# Altium PCB 2-quilter-output.pcbdoc (part 10 of 17)
Units mil, origin at the board's own origin, x right, y up, seen from the top; angles counter-clockwise.
Board outline 2728 x 2217 mil, 8 copper layers (L1_TOP, L2_GND, L3_INNER1, L4_GND, L5_PWR, L6_PWR, L7_GND, L8_BOT), stack 48.64 mil thick; 230 components, 327 nets, 1592 pads, 995 vias.
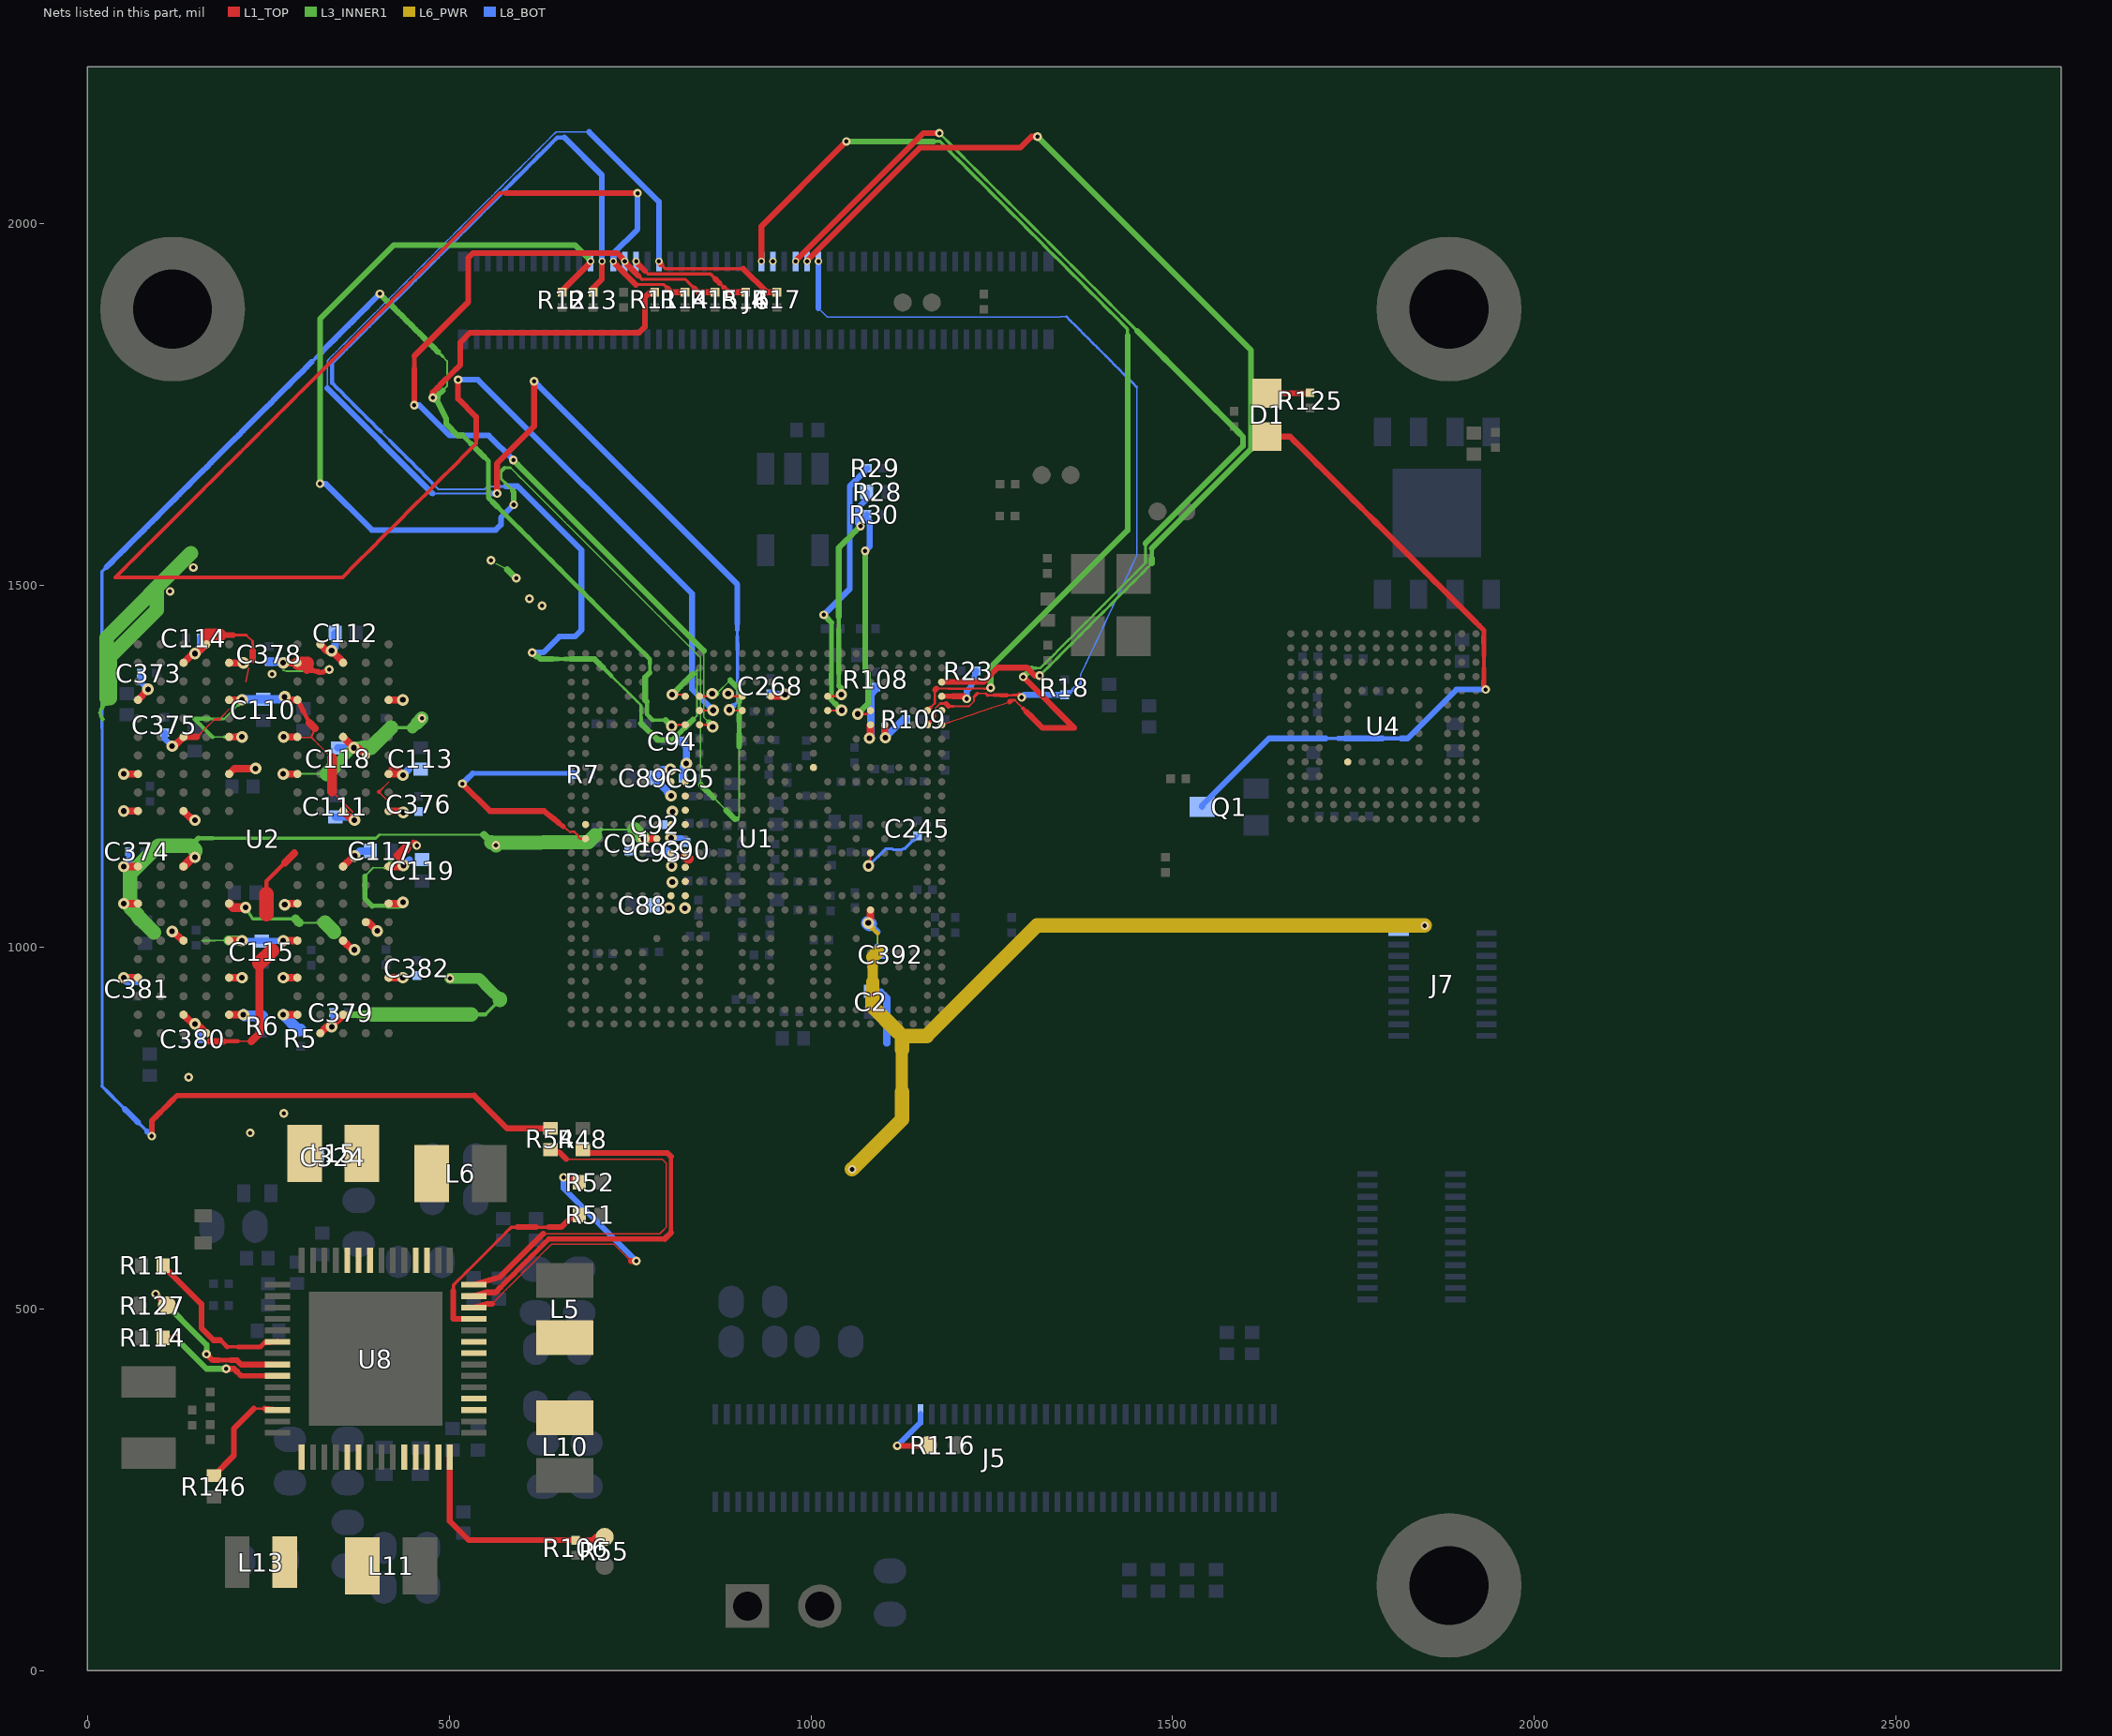
[diagram p16: the nets of this part, all layers, seen from the top]

## Via types
v1: diameter 12.01, hole 5.91, L1_TOP to L8_BOT, tented both sides, 409 vias
v2: diameter 16, hole 8, L1_TOP to L8_BOT, tented both sides, 329 vias
v3: diameter 10, hole 6, L1_TOP to L8_BOT, tented both sides, 205 vias
v4: diameter 16, hole 8, L1_TOP to L8_BOT, tented top, 52 vias

## Nets (pads, with @x,y where several pads share a name; then routed paths per layer and width w, separated by ;. In a path a pad name is that pad's centre, name@x,y a point inside that pad or via, vN(x,y) a via of type N, cw(c..) or ccw(c..) an arc to the next point about the centre after c; other vN are vias at no path point) (continued)
I2C1_SDA: R11.2 R54.1 U1.F9 | length 3190.4
  L1_TOP w3: v2(807.68,1305.38) 809.68,1307.38 U1.F9@826.47,1307.38
  L1_TOP w6.88: 100.91,771.77 106.76,777.62 ; 118.46,789.33 124.31,795.18 133.23,795.18 142.16,795.18 151.08,795.18 160,795.18 168.92,795.18 177.85,795.18 186.77,795.18 195.69,795.18 204.62,795.18 213.54,795.18 222.46,795.18 231.38,795.18 240.31,795.18 249.23,795.18 258.15,795.18 267.07,795.18 276,795.18 284.92,795.18 293.84,795.18 302.76,795.18 311.69,795.18 320.61,795.18 329.53,795.18 338.45,795.18 347.38,795.18 356.3,795.18 365.22,795.18 374.14,795.18 383.07,795.18 391.99,795.18 400.91,795.18 409.83,795.18 418.76,795.18 427.68,795.18 436.6,795.18 445.53,795.18 454.45,795.18 463.37,795.18 472.29,795.18 481.22,795.18 490.14,795.18 499.06,795.18 507.98,795.18 516.91,795.18 525.83,795.18 534.75,795.18
  L1_TOP w7.46: 106.76,777.62 112.61,783.47 ; 496.56,1785.77 502.92,1792.13 509.28,1798.49 ; 770.64,1873.57 770.64,1881.68 770.64,1889.8
  L1_TOP w8.05: v1(89.21,739.01) 89.21,747.03 89.21,760.07 95.06,765.92 100.91,771.77 ; 112.61,783.47 118.46,789.33 ; v1(477.49,1759.34) 477.49,1766.12 477.49,1766.69 483.85,1773.05 490.21,1779.41 496.56,1785.77 ; 509.28,1798.49 515.64,1804.85 515.64,1835.93 528.92,1849.21 762.52,1849.21 770.64,1857.33 ; 534.75,795.18 580.16,749.76 R54.1@640,749.76 ; 770.64,1857.33 770.64,1865.45 770.64,1873.57 ; 770.64,1889.8 770.64,1897.92 777.85,1905.14 R11.2@784.25,1905.14
  L3_INNER1 w2.2: 497.27,1801.41 497.27,1810.07
  L3_INNER1 w2.79: 491.08,1816.26 497.27,1810.07 ; 491.13,1769.28 497.27,1775.42 497.27,1784.08 497.27,1792.74 497.27,1801.41
  L3_INNER1 w3.96: 777.53,1379.47 777.53,1385.67 777.53,1391.88
  L3_INNER1 w4.54: 484.88,1822.46 491.08,1816.26
  L3_INNER1 w5.13: 782.06,1313.84 790.65,1313.84 799.23,1313.84
  L3_INNER1 w5.71: 773.46,1338.97 773.46,1330.59 773.46,1322.22 773.46,1321.86 777.48,1317.85 781.49,1313.84
  L3_INNER1 w6.29: 519.09,1707.15 524.98,1701.26 530.86,1695.37 ; 548.52,1677.71 554.41,1671.82 554.41,1663.39 554.41,1654.95 554.41,1646.51 554.41,1638.08 554.41,1629.64 554.41,1621.2 560.61,1615.01 ; 566.81,1608.81 573,1602.61 579.2,1596.41 585.4,1590.22 591.6,1584.02 597.8,1577.82 603.99,1571.62 610.19,1565.43 616.39,1559.23 622.59,1553.03 628.78,1546.83 634.98,1540.63 641.18,1534.44 647.38,1528.24 653.57,1522.04 659.77,1515.84 665.97,1509.65 672.17,1503.45 678.37,1497.25 684.56,1491.05 690.76,1484.85 696.96,1478.66 703.16,1472.46 709.35,1466.26 715.55,1460.06 721.75,1453.87 727.95,1447.67 734.15,1441.47 740.34,1435.27 746.54,1429.07 752.74,1422.88 758.94,1416.68 765.13,1410.48 771.33,1404.28 777.53,1398.09 777.53,1391.88 ; 781.49,1313.84 782.06,1313.84
  L3_INNER1 w7.46: 771,1372.94 774.26,1376.2 777.53,1379.47
  L3_INNER1 w8.05: v1(404.33,1903.01) 410.53,1896.81 416.72,1890.62 422.92,1884.42 429.11,1878.22 435.31,1872.03 441.51,1865.83 447.7,1859.64 453.9,1853.44 460.1,1847.24 466.29,1841.05 472.49,1834.85 478.68,1828.66 484.88,1822.46 ; v1(477.49,1759.34) 481.09,1755.73 483.27,1755.73 ; 491.13,1769.28 484.99,1763.13 484.21,1759.26 483.27,1755.73 ; 519.09,1707.15 512.05,1707.15 496.26,1722.93 496.26,1729.06 483.27,1755.73 ; 530.86,1695.37 536.75,1689.48 542.64,1683.6 548.52,1677.71 ; 560.61,1615.01 566.81,1608.81 ; 771,1372.94 771,1341.44 773.46,1338.97 ; 799.23,1313.84 v2(807.68,1305.38)
  L8_BOT w3.96: 20.4,807.82 20.4,816.83 20.4,825.83 20.4,834.83 20.4,843.84 20.4,852.84 20.4,861.84 20.4,870.85 20.4,879.85 20.4,888.85 20.4,897.86 20.4,906.86 20.4,915.86 20.4,924.86 20.4,933.87 20.4,942.87 20.4,951.87 20.4,960.88 20.4,969.88 20.4,978.88 20.4,987.89 20.4,996.89 20.4,1005.89 20.4,1014.9 20.4,1023.9 20.4,1032.9 20.4,1041.91 20.4,1050.91 20.4,1059.91 20.4,1068.92 20.4,1077.92 20.4,1086.92 20.4,1095.93 20.4,1104.93 20.4,1113.93 20.4,1122.94 20.4,1131.94 20.4,1140.94 20.4,1149.95 20.4,1158.95 20.4,1167.95 20.4,1176.96 20.4,1185.96 20.4,1194.96 20.4,1203.97 20.4,1212.97 20.4,1221.97 20.4,1230.98 20.4,1239.98 20.4,1248.98 20.4,1257.98 20.4,1266.99 20.4,1275.99 20.4,1284.99 20.4,1294 20.4,1303 ; 20.4,1321.01 20.4,1330.01
  L8_BOT w4.54: 20.4,807.82 26.66,801.57 ; 20.4,1303 20.4,1312 20.4,1321.01 ; 20.4,1330.01 20.4,1339.01 20.4,1348.02 20.4,1357.02 20.4,1366.02 20.4,1375.03 20.4,1384.03 20.4,1393.03 20.4,1402.04 20.4,1411.04 20.4,1420.04 20.4,1429.05 20.4,1438.05 20.4,1447.05 20.4,1456.06 20.4,1465.06 20.4,1474.06 20.4,1483.07 20.4,1492.07 20.4,1501.07 20.4,1510.08 20.4,1519.08 26.69,1525.37 ; 39.17,789.06 45.42,782.8 51.68,776.55 ; 70.44,757.78 76.7,751.53 82.95,745.27 ; 309.92,1808.6 316.22,1814.89
  L8_BOT w5.13: 26.66,801.57 32.91,795.31 39.17,789.06 ; 316.22,1814.89 322.51,1821.19
  L8_BOT w8.05: 26.69,1525.37 32.99,1531.67 39.28,1537.96 45.58,1544.25 51.87,1550.55 58.16,1556.84 64.46,1563.14 70.75,1569.43 77.05,1575.72 83.34,1582.02 89.63,1588.31 95.93,1594.61 102.22,1600.9 108.52,1607.19 114.81,1613.49 121.1,1619.78 127.4,1626.08 133.69,1632.37 139.99,1638.66 146.28,1644.96 152.57,1651.25 158.87,1657.55 165.16,1663.84 171.46,1670.13 177.75,1676.43 184.04,1682.72 190.34,1689.02 196.63,1695.31 202.92,1701.6 209.22,1707.9 215.51,1714.19 221.81,1720.48 228.1,1726.78 234.39,1733.07 240.69,1739.37 246.98,1745.66 253.28,1751.95 259.57,1758.25 265.86,1764.54 272.16,1770.84 278.45,1777.13 284.75,1783.42 291.04,1789.72 297.33,1796.01 303.63,1802.31 309.92,1808.6 ; 51.68,776.55 57.93,770.29 64.19,764.04 70.44,757.78 ; 82.95,745.27 v1(89.21,739.01) ; 322.51,1821.19 328.8,1827.48 335.1,1833.78 341.39,1840.07 347.69,1846.36 353.98,1852.66 360.27,1858.95 366.57,1865.25 372.86,1871.54 379.15,1877.83 385.45,1884.13 391.74,1890.42 398.04,1896.71 v1(404.33,1903.01)
I2C2_SCL: J4.22 R12.2 U1.D10 | length 1961.9
  L1_TOP w3: U1.D10@846.15,1346.75 859.98,1346.75 v2(863.67,1350.44)
  L1_TOP w8.05: R12.2@656.24,1905.14 656.24,1907.46 692.5,1943.72 v3@695.55,1947.76
  L3_INNER1 w2: 585.1,1662.64 591.35,1656.39 597.6,1650.14 603.85,1643.88 610.1,1637.63 616.35,1631.38 622.6,1625.13 628.85,1618.88 635.1,1612.63 641.36,1606.38 647.61,1600.13 653.86,1593.88 660.11,1587.62 666.36,1581.37 672.61,1575.12 678.86,1568.87 685.11,1562.62 691.36,1556.37 697.62,1550.12 703.87,1543.87 710.12,1537.62 716.37,1531.37 722.62,1525.11 728.87,1518.86 735.12,1512.61 741.37,1506.36 747.62,1500.11 753.88,1493.86 760.13,1487.61 766.38,1481.36 772.63,1475.11 778.88,1468.85 785.13,1462.6 791.38,1456.35 797.63,1450.1 803.88,1443.85 810.13,1437.6 816.39,1431.35 822.64,1425.1 828.89,1418.85 835.14,1412.59 841.39,1406.34 847.64,1400.09 847.64,1391.32 847.64,1382.54 847.64,1373.77 847.64,1364.99 847.64,1356.22 847.64,1347.44 847.64,1338.67 847.64,1329.89 847.64,1321.12 847.64,1312.34 847.64,1303.57 847.64,1294.79 847.64,1286.02 847.64,1277.24 847.64,1268.47 847.64,1259.69 847.64,1250.92 847.64,1242.14 847.64,1233.37 847.64,1224.59 ; v2@869.82,1350.46 876.02,1356.65 882.21,1362.85 888.41,1369.05
  L3_INNER1 w2.2: 871.31,1200.92 877.23,1195.01 883.15,1189.09 ; 898,1177.25 900.91,1180.16 900.91,1188.98 900.91,1197.8 900.91,1206.62 900.91,1215.44 900.91,1224.26 900.91,1233.08 900.91,1241.9 900.91,1250.72 900.91,1259.54 900.91,1268.36 900.91,1277.18
  L3_INNER1 w2.79: 865.39,1206.84 871.31,1200.92
  L3_INNER1 w3.96: 571.58,1647.69 577.12,1642.14 ; 576.79,1662.64 585.1,1662.64
  L3_INNER1 w4.54: 571.58,1647.69 571.58,1652.56 571.58,1657.43 ; 577.12,1642.14 582.67,1636.59 588.22,1631.04
  L3_INNER1 w5.71: 571.58,1657.43 576.79,1662.64 ; 900.91,1321.28 900.91,1330.1 900.91,1338.92
  L3_INNER1 w6.88: 900.91,1294.82 900.91,1303.64 900.91,1312.46
  L3_INNER1 w7.46: 588.22,1631.04 589.32,1629.1 ; 894.98,1177.25 898,1177.25 ; 900.91,1277.18 900.91,1286 ; 900.91,1312.46 900.91,1321.28
  L3_INNER1 w8.05: v1(321.74,1640.59) 321.74,1652.35 321.74,1868.26 423.91,1970.42 673.87,1970.42 692.5,1951.79 v3@695.55,1947.76 ; v1(589.32,1611.42) 589.32,1618.01 589.32,1629.09 ; 847.64,1224.59 853.56,1218.68 859.48,1212.76 865.39,1206.84 ; v2@863.68,1350.46 v2@869.82,1350.46 ; 883.15,1189.09 889.06,1183.17 894.98,1177.25 ; 888.42,1369.05 900.91,1356.55 900.91,1347.74 900.91,1338.92 ; 900.91,1286 900.91,1294.82
  L8_BOT w8.05: v1(321.74,1640.59) 329.4,1640.59 393.49,1576.5 564.37,1576.5 571.73,1583.87 571.73,1593.82 v1(589.32,1611.42)
  other v3: 695.54,1947.75
I2C2_SDA: J4.24 R13.2 U1.D9 | length 1790.5
  L1_TOP w3: v2(808.41,1349.15) 824.07,1349.15 U1.D9@826.47,1346.75
  L1_TOP w8.05: R13.2@699.25,1905.14 699.25,1911.14 699.25,1911.22 711.3,1923.27 v3(711.29,1947.75)
  L3_INNER1 w2.2: 836.98,1377.73 842.7,1383.44 842.71,1375.54 842.71,1367.64 842.71,1359.74 842.71,1351.84 842.71,1343.94 842.71,1336.04 842.71,1328.14 842.71,1320.24 837.07,1314.6
  L3_INNER1 w3.37: 724.37,1374.9 730.22,1369.05 736.07,1363.2 741.92,1357.35 747.77,1351.5 753.62,1345.65 759.47,1339.8 765.32,1333.95
  L3_INNER1 w4.54: 765.32,1317.54 765.32,1325.74 765.32,1333.95
  L3_INNER1 w5.13: 651.3,1398.3 659.58,1398.3 ; 765.32,1309.33 765.32,1317.54
  L3_INNER1 w5.71: 712.67,1386.6 718.52,1380.75 724.37,1374.9
  L3_INNER1 w6.29: 643.03,1398.3 651.3,1398.3 ; 659.58,1398.3 667.86,1398.3
  L3_INNER1 w6.88: 814.52,1292.05 820.15,1297.69 825.79,1303.33
  L3_INNER1 w7.46: 808.88,1286.41 814.52,1292.05
  L3_INNER1 w8.05: v1(614.8,1407.27) 620.52,1401.55 ; 620.53,1401.54 623.23,1401.54 626.47,1398.3 634.75,1398.3 643.03,1398.3 ; 667.86,1398.3 676.14,1398.3 684.41,1398.3 692.69,1398.3 700.97,1398.3 706.82,1392.45 712.67,1386.6 ; 765.32,1309.33 788.24,1286.41 808.87,1286.41 ; v2(808.41,1349.15) 814.12,1354.87 819.84,1360.58 825.55,1366.3 831.27,1372.01 836.98,1377.73 ; 825.79,1303.33 831.43,1308.97 837.07,1314.6
  L8_BOT w2.79: 405.82,1712.33 411.93,1706.21 418.05,1700.09 ; 479.23,1638.92 485.34,1632.8 493.32,1632.8 501.29,1632.8 509.27,1632.8 517.24,1632.8 525.21,1632.8 533.19,1632.8 541.16,1632.8 549.14,1632.8 553.26,1636.92 561.58,1636.92 569.91,1636.92
  L8_BOT w3.96: 569.91,1636.92 578.23,1636.92
  L8_BOT w5.13: 338.53,1779.62 344.64,1773.5 350.76,1767.38 356.88,1761.26 362.99,1755.15 369.11,1749.03 375.23,1742.91 381.35,1736.79 387.46,1730.68 393.58,1724.56 399.7,1718.44 405.82,1712.33 ; 418.05,1700.09 424.17,1693.97 430.29,1687.86 436.4,1681.74 442.52,1675.62 448.64,1669.5 454.76,1663.39 460.87,1657.27 466.99,1651.15 473.11,1645.03 479.23,1638.92
  L8_BOT w5.71: 338.53,1779.62 338.53,1786.7 338.53,1793.79 338.53,1800.88 338.53,1807.97 344.87,1814.31 351.22,1820.66 357.57,1827.01 363.91,1833.35 370.26,1839.7 376.61,1846.05 382.95,1852.39 389.3,1858.74 395.65,1865.09 401.99,1871.43 408.34,1877.78 414.69,1884.13 421.03,1890.47 427.38,1896.82 433.73,1903.17 440.07,1909.51 446.42,1915.86 452.77,1922.21 459.11,1928.55 465.46,1934.9 471.81,1941.25 478.15,1947.59 484.5,1953.94 490.85,1960.29 497.19,1966.63 503.54,1972.98 509.89,1979.33 516.23,1985.67 522.58,1992.02 528.93,1998.37 535.27,2004.71 541.62,2011.06 547.97,2017.41 554.31,2023.75 560.66,2030.1 567.01,2036.45 573.35,2042.79 579.7,2049.14 586.05,2055.49 592.39,2061.83 598.74,2068.18 605.09,2074.53 611.43,2080.87 617.78,2087.22 624.13,2093.57 630.47,2099.91 636.82,2106.26 643.17,2112.61 649.51,2118.95 654.44,2118.95 659.37,2118.95
  L8_BOT w8.05: 578.23,1636.92 586.55,1636.92 594.87,1636.92 683.02,1548.78 683.02,1438.35 674.08,1429.41 652.46,1429.41 630.32,1407.27 v1(614.8,1407.27) ; 659.37,2118.95 711.13,2067.19 v3(711.29,1947.75)
I2C3_SCL: J4.26 R14.2 U1.E10 | length 2478.2
  L1_TOP w3: U1.E10@846.15,1327.06 864.64,1327.06 v2(864.93,1327.36)
  L1_TOP w3.96: 758.14,1915.66 765.86,1915.66 773.57,1915.66 781.28,1915.66 789,1915.66 796.71,1915.66
  L1_TOP w4.54: 796.71,1915.66 801.97,1910.4
  L1_TOP w5.13: 537.5,1703.34 537.5,1695.96 531.13,1689.59 524.76,1683.22 518.39,1676.85 512.02,1670.48 505.65,1664.11 499.28,1657.74 492.92,1651.37 486.55,1645 480.18,1638.63 473.81,1632.26 467.44,1625.89 461.07,1619.52 454.7,1613.16 448.33,1606.79 441.96,1600.42 435.59,1594.05 429.22,1587.68 422.85,1581.31 416.48,1574.94 410.11,1568.57 403.75,1562.2 397.38,1555.83 391.01,1549.46 384.64,1543.09 378.27,1536.72 371.9,1530.36 365.53,1523.99 359.16,1517.62 352.79,1511.25 343.83,1511.25 334.86,1511.25 325.89,1511.25 316.93,1511.25 307.96,1511.25 299,1511.25 290.03,1511.25 281.07,1511.25 272.1,1511.25 263.13,1511.25 254.17,1511.25 245.2,1511.25 236.24,1511.25 227.27,1511.25 218.31,1511.25 209.34,1511.25 200.37,1511.25 191.41,1511.25 182.44,1511.25 173.48,1511.25 164.51,1511.25 155.55,1511.25 146.58,1511.25 137.61,1511.25 128.65,1511.25 119.68,1511.25 110.72,1511.25 101.75,1511.25 92.78,1511.25 83.82,1511.25 74.85,1511.25 65.89,1511.25 56.92,1511.25 47.96,1511.25 38.99,1511.25 45.31,1517.58 51.63,1523.9 57.95,1530.22 64.27,1536.54 70.58,1542.86 76.9,1549.18 83.22,1555.49 89.54,1561.81 95.86,1568.13 102.18,1574.45 108.5,1580.77 114.82,1587.09 121.14,1593.41 127.46,1599.73 133.78,1606.05 140.1,1612.37 146.42,1618.69 152.74,1625.01 159.06,1631.33 165.38,1637.65 171.7,1643.97 178.02,1650.29 184.34,1656.61 190.66,1662.93 196.98,1669.25 203.3,1675.57 209.62,1681.89 215.94,1688.21 222.26,1694.53 228.58,1700.85 234.9,1707.17 241.22,1713.49 247.54,1719.81 253.86,1726.13 260.18,1732.45 266.5,1738.77 272.81,1745.09 279.13,1751.4 285.45,1757.72 291.77,1764.04 298.09,1770.36 304.41,1776.68 310.73,1783 317.05,1789.32 323.37,1795.64 329.69,1801.96 336.01,1808.28 342.33,1814.6 348.65,1820.92 354.97,1827.24 361.29,1833.56 367.61,1839.88 373.93,1846.2 380.25,1852.52 386.57,1858.84 392.89,1865.16 399.21,1871.48 405.53,1877.8 411.85,1884.12 418.17,1890.44 424.49,1896.76 430.81,1903.08 437.13,1909.4 443.45,1915.72 449.77,1922.04 456.09,1928.36 462.41,1934.68 468.72,1941 475.04,1947.32 481.36,1953.63 487.68,1959.95 494,1966.27 500.32,1972.59 506.64,1978.91 512.96,1985.23 519.28,1991.55 525.6,1997.87 531.92,2004.19 538.24,2010.51 544.56,2016.83 550.88,2023.15 557.2,2029.47 563.52,2035.79 569.84,2042.11 578.5,2042.11
  L1_TOP w8.05: v1(512.44,1784.28) 512.44,1757.95 537.5,1732.89 537.5,1725.5 537.5,1718.11 537.5,1710.73 537.5,1703.34 ; 578.5,2042.11 587.17,2042.11 595.83,2042.11 604.49,2042.11 613.15,2042.11 621.82,2042.11 630.48,2042.11 639.14,2042.11 647.81,2042.11 656.47,2042.11 665.13,2042.11 673.8,2042.11 682.46,2042.11 691.12,2042.11 699.78,2042.11 708.45,2042.11 717.11,2042.11 725.77,2042.11 734.44,2042.11 743.1,2042.11 751.76,2042.11 v1(760.43,2042.11) ; v3(727.04,1947.75) 730.08,1943.72 758.14,1915.66 ; 801.97,1910.4 807.23,1905.14 820,1905.14 R14.2@826,1905.14
  L8_BOT w8.05: v1(512.44,1784.28) 540,1784.28 835.68,1488.61 835.68,1356.62 859.25,1333.05 v2@864.94,1327.34 ; v3(727.04,1947.75) 727.03,1958.79 760.43,1992.19 760.43,2030.25 v1(760.43,2042.11)
I2C3_SDA: J4.28 R15.2 U1.F10 | length 1271.4
  L1_TOP w3: U1.F10@846.15,1307.38 861.61,1307.38 v2(864.35,1304.65)
  L1_TOP w3.96: 766.62,1922.93 775.19,1922.93 783.76,1922.93 792.33,1922.93 800.9,1922.93 809.47,1922.93 818.04,1922.93 826.61,1922.93 832.54,1917 838.47,1911.07
  L1_TOP w4.54: 761.42,1928.13 766.62,1922.93
  L1_TOP w6.88: 452,1799.86 452,1808.32 452,1816.77
  L1_TOP w7.46: 838.47,1911.07 844.4,1905.14
  L1_TOP w8.05: v1(452,1749.16) 452,1757.61 452,1766.06 452,1774.51 452,1782.96 452,1791.41 452,1799.86 ; 452,1816.77 526.47,1891.24 526.47,1952.56 533.26,1959.36 732.18,1959.36 739.74,1951.79 v3(742.79,1947.75) 745.83,1943.72 751.02,1938.52 756.22,1933.32 761.42,1928.13 ; 844.4,1905.14 861.57,1905.14 R15.2@867.58,1905.14
  L3_INNER1 w2: 852.28,1409.76 852.28,1401.38 852.28,1393.01 852.28,1384.63 852.28,1376.26 852.28,1367.89 852.28,1359.51 852.28,1351.14 852.28,1342.76 852.28,1334.39 852.28,1326.02 852.28,1317.64 855.7,1314.22 859.11,1310.81
  L3_INNER1 w8.05: v1(588.78,1673.25) 595.14,1666.89 852.28,1409.76 ; 859.11,1310.81 v2@864.35,1304.67
  L8_BOT w8.05: v1(452,1749.16) 458.85,1749.16 500.86,1707.15 554.89,1707.15 v1(588.78,1673.25)
I2C4_SCL: J4.30 R16.2 U1.D13 | length 190.4
  L1_TOP w3: v2(885.75,1350.42) 889.42,1346.75 U1.D13@905.21,1346.75
  L1_TOP w4.54: 770.61,1934.71 775.12,1930.2 783.74,1930.2 792.36,1930.2 800.98,1930.2 809.6,1930.2 818.22,1930.2 826.84,1930.2 835.46,1930.2 844.08,1930.2 852.7,1930.2 861.33,1930.2 867.59,1923.93 ; 873.86,1917.67 880.12,1911.4
  L1_TOP w7.46: 867.59,1923.93 873.86,1917.67 ; 880.12,1911.4 886.39,1905.14
  L1_TOP w8.05: v3(758.54,1947.75) 761.59,1943.72 766.1,1939.21 770.61,1934.71 ; 886.39,1905.14 R16.2@909.98,1905.14
I2C4_SDA: J4.34 R17.2 U1.E13 | length 1995.6
  L1_TOP w3: v2(887.28,1327.98) 888.2,1327.06 U1.E13@905.21,1327.06
  L1_TOP w4.54: 793.07,1943.72 799.03,1937.76 808,1937.76 816.97,1937.76 825.94,1937.76 834.91,1937.76 843.88,1937.76 852.85,1937.76 861.82,1937.76 870.79,1937.76 879.75,1937.76 888.72,1937.76 897.69,1937.76 906.66,1937.76
  L1_TOP w8.05: v1(566.28,1626.99) 566.28,1668.53 617.62,1719.87 v1(617.62,1782.16) ; v3(790.03,1947.75) 793.07,1943.72 ; 906.66,1937.76 939.29,1905.13 R17.2@953,1905.13
  L8_BOT w2: 331.83,1772.32 331.83,1780 331.83,1787.69 331.83,1795.37 331.83,1803.05 331.83,1810.73 338.16,1817.05 344.48,1823.37 350.8,1829.69 357.12,1836.01 363.44,1842.34 369.76,1848.66 376.09,1854.98 382.41,1861.3 388.73,1867.62 395.05,1873.94 401.37,1880.27 407.69,1886.59 414.02,1892.91 420.34,1899.23 426.66,1905.55 432.98,1911.87 439.3,1918.2 445.62,1924.52 451.95,1930.84 458.27,1937.16 464.59,1943.48 470.91,1949.8 477.23,1956.12 483.55,1962.45 489.88,1968.77 496.2,1975.09 502.52,1981.41 508.84,1987.73 515.16,1994.05 521.48,2000.38 527.81,2006.7 534.13,2013.02 540.45,2019.34 546.77,2025.66 553.09,2031.98 559.41,2038.31 565.74,2044.63 572.06,2050.95 578.38,2057.27 584.7,2063.59 591.02,2069.91 597.34,2076.24 603.67,2082.56 609.99,2088.88 616.31,2095.2 622.63,2101.52 628.95,2107.84 635.27,2114.17 641.6,2120.49 647.92,2126.81 655.51,2126.81 663.11,2126.81 670.71,2126.81 678.31,2126.81 685.9,2126.81 693.5,2126.81
  L8_BOT w2.79: 477.17,1626.99 485.85,1626.99 494.52,1626.99 503.2,1626.99 511.88,1626.99 520.55,1626.99 529.23,1626.99 537.91,1626.99 546.58,1626.99 555.26,1626.99
  L8_BOT w3.96: 898.46,1339.15 898.46,1348.16 898.46,1357.17 ; 898.46,1429.24 898.46,1438.25
  L8_BOT w4.54: 892.97,1333.66 898.46,1339.15 ; 898.46,1357.17 898.46,1366.18 898.46,1375.19 898.46,1384.2 898.46,1393.21 898.46,1402.22 898.46,1411.23
  L8_BOT w5.13: 898.46,1420.24 898.46,1429.24
  L8_BOT w5.71: 898.46,1411.23 898.46,1420.24
  L8_BOT w6.29: 898.46,1438.25 898.46,1447.26
  L8_BOT w8.05: 331.83,1772.32 477.17,1626.99 ; 555.26,1626.99 v1(566.28,1626.99) ; v1(617.62,1782.16) 623.98,1775.8 898.46,1501.32 898.46,1492.31 898.46,1483.3 898.46,1474.29 898.46,1465.28 898.46,1456.27 898.46,1447.26 ; 693.5,2126.81 790.02,2030.29 790.02,1961.26 v3(790.03,1947.75) ; v2(887.28,1327.98) 892.97,1333.66
JTAG_MOD: R23.1 U1.D27 | length 78.2
  L1_TOP w6.88: U1.D27@1180.8,1346.75 1188.55,1346.75
  L1_TOP w7.46: 1188.55,1346.75 1196.28,1346.75
  L1_TOP w8.05: 1196.28,1346.75 1204.02,1346.75 1211.76,1346.75 v1(1215.22,1343.29)
  L8_BOT w8.05: v1(1215.22,1343.29) 1215.22,1353.99 1221.18,1359.95 R23.1@1228.51,1382
JTAG_NTRST: J4.60 U1.C27 | length 1526.3
  L1_TOP w8.05: v3(994.76,1947.75) 997.82,1951.79 1151.12,2105.09 1289.58,2105.09 1304.61,2120.13 v1(1313.24,2120.13) ; U1.C27@1180.8,1366.44 1238.59,1366.44 1258.39,1386.24 1298.58,1386.24 1309.54,1375.28 v1(1316.18,1375.28)
  L3_INNER1 w3.37: 1465.12,1524.23 1471.33,1530.43
  L3_INNER1 w3.96: v1(1316.18,1375.28) 1322.38,1381.49 1328.59,1387.7 1334.8,1393.9 1341,1400.11 1347.21,1406.31 1353.41,1412.52 1359.62,1418.72 1365.82,1424.93 1372.03,1431.14 1378.24,1437.34 1384.44,1443.55 1390.65,1449.75 1396.85,1455.96 1403.06,1462.17 1409.27,1468.37 1415.47,1474.58 1421.68,1480.78 1427.88,1486.99 1434.09,1493.2 1440.3,1499.4 1446.5,1505.61 1452.71,1511.81 1458.91,1518.02 1465.12,1524.23
  L3_INNER1 w5.71: 1471.33,1537.4 1471.33,1544.37 1471.33,1551.35
  L3_INNER1 w8.05: v1(1313.24,2120.13) 1608.14,1825.23 1608.14,1688.16 1471.33,1551.35 ; 1471.33,1530.43 1471.33,1537.4
JTAG_TCK: J4.62 R18.1 U1.F26 | length 1229.8
  L1_TOP w2: 1172.07,1330.18 1175.28,1333.4 1178.48,1336.6 ; 1229.97,1350.73 1235.88,1350.73 1241.79,1350.73
  L1_TOP w2.2: 1164.67,1310.93 1168.37,1314.63 1172.07,1318.33 1172.07,1324.26 1172.07,1330.18 ; 1218.71,1333.13 1222.34,1336.76 1225.59,1340.01
  L1_TOP w2.79: 1197.39,1333.13 1204.5,1333.13 1211.61,1333.13 1218.71,1333.13 ; 1225.59,1340.01 1225.59,1346.35